# KiCad board dsp-amplifier-x4.kicad_pcb
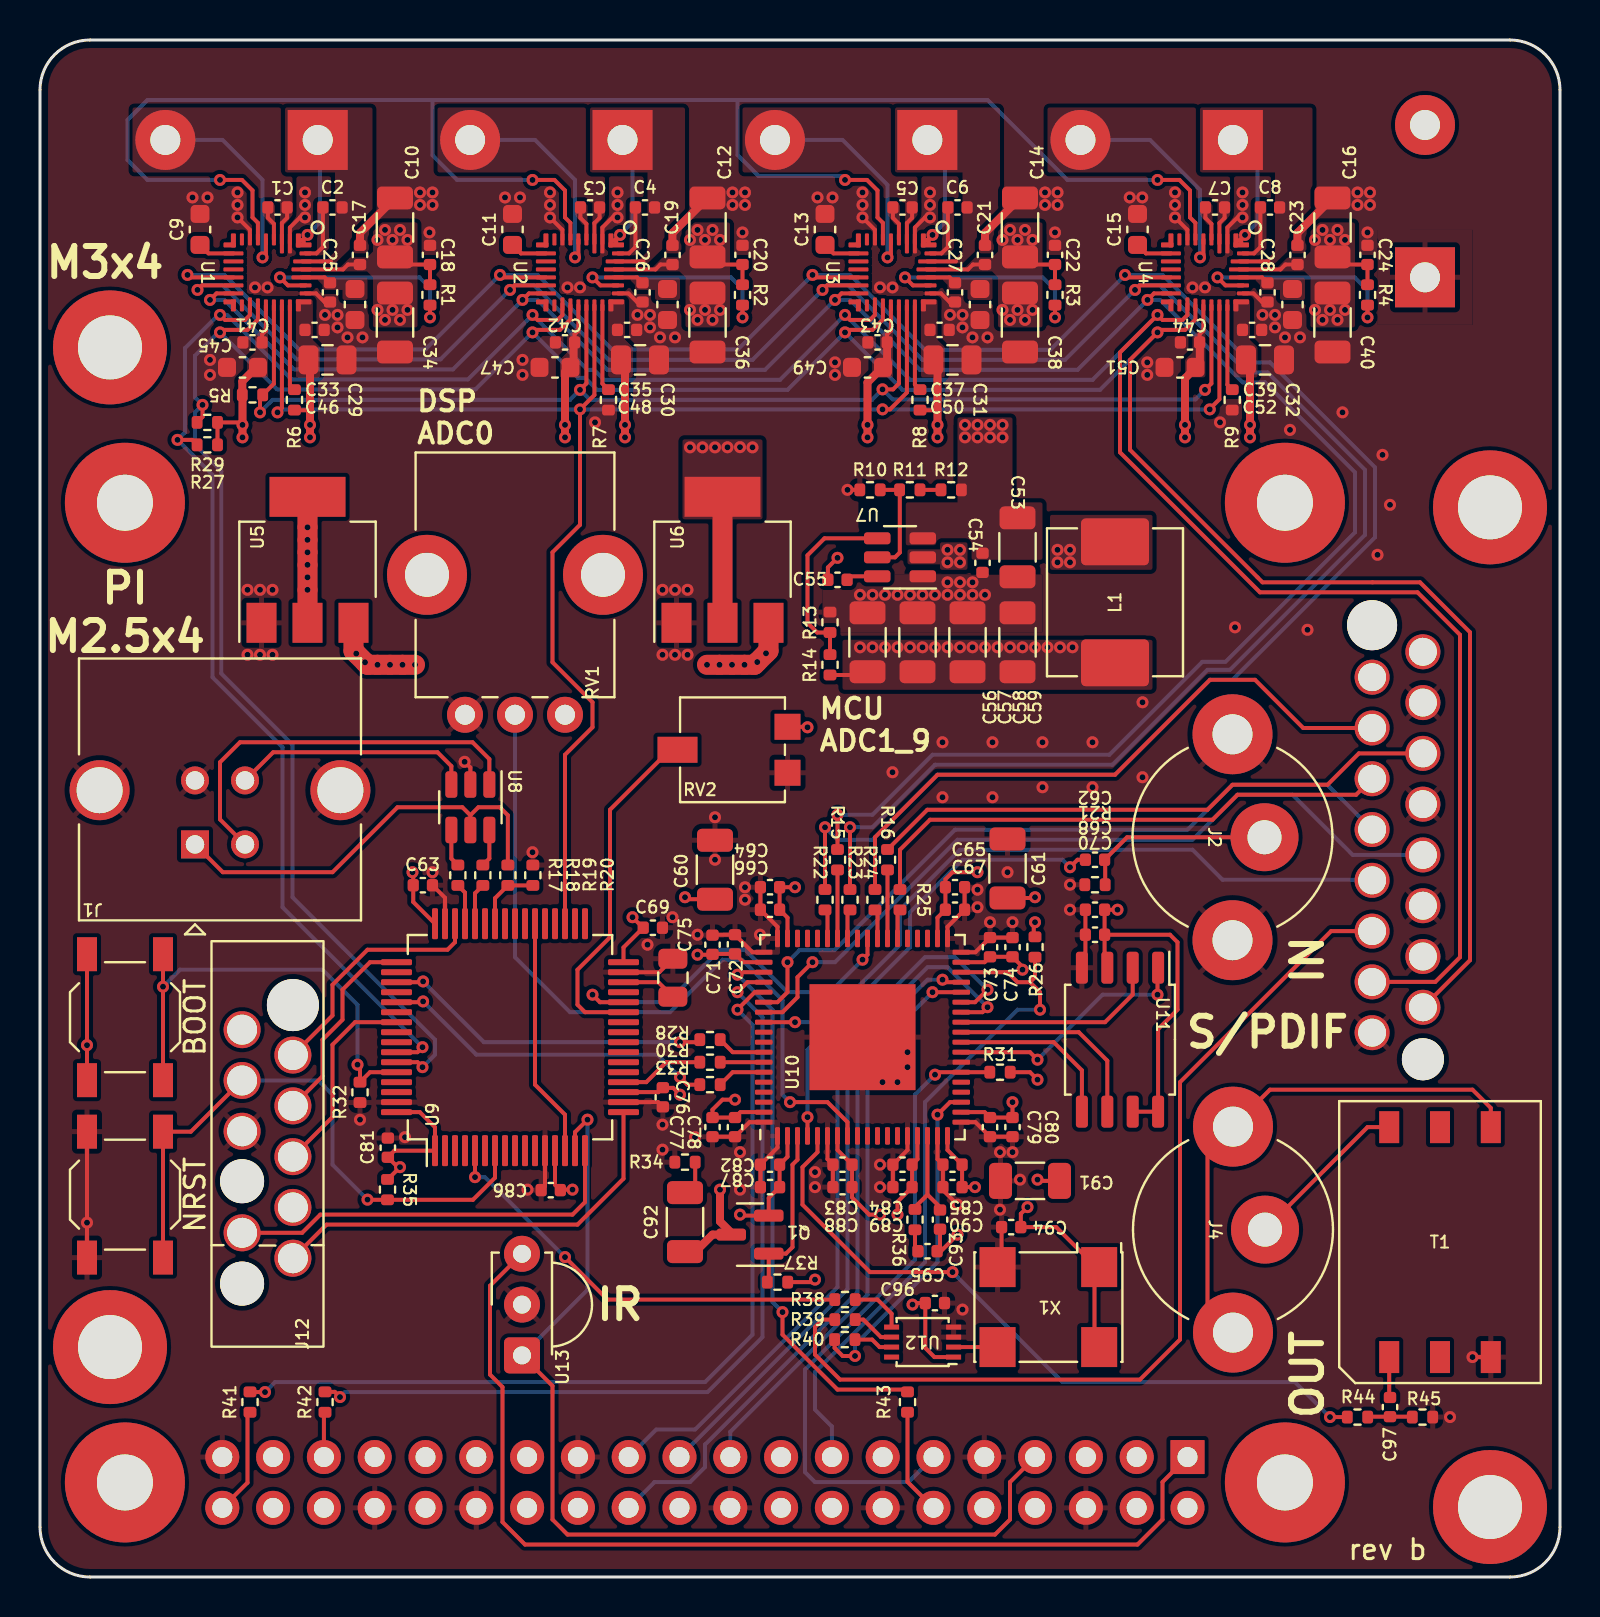
[diagram p0: board, top side]
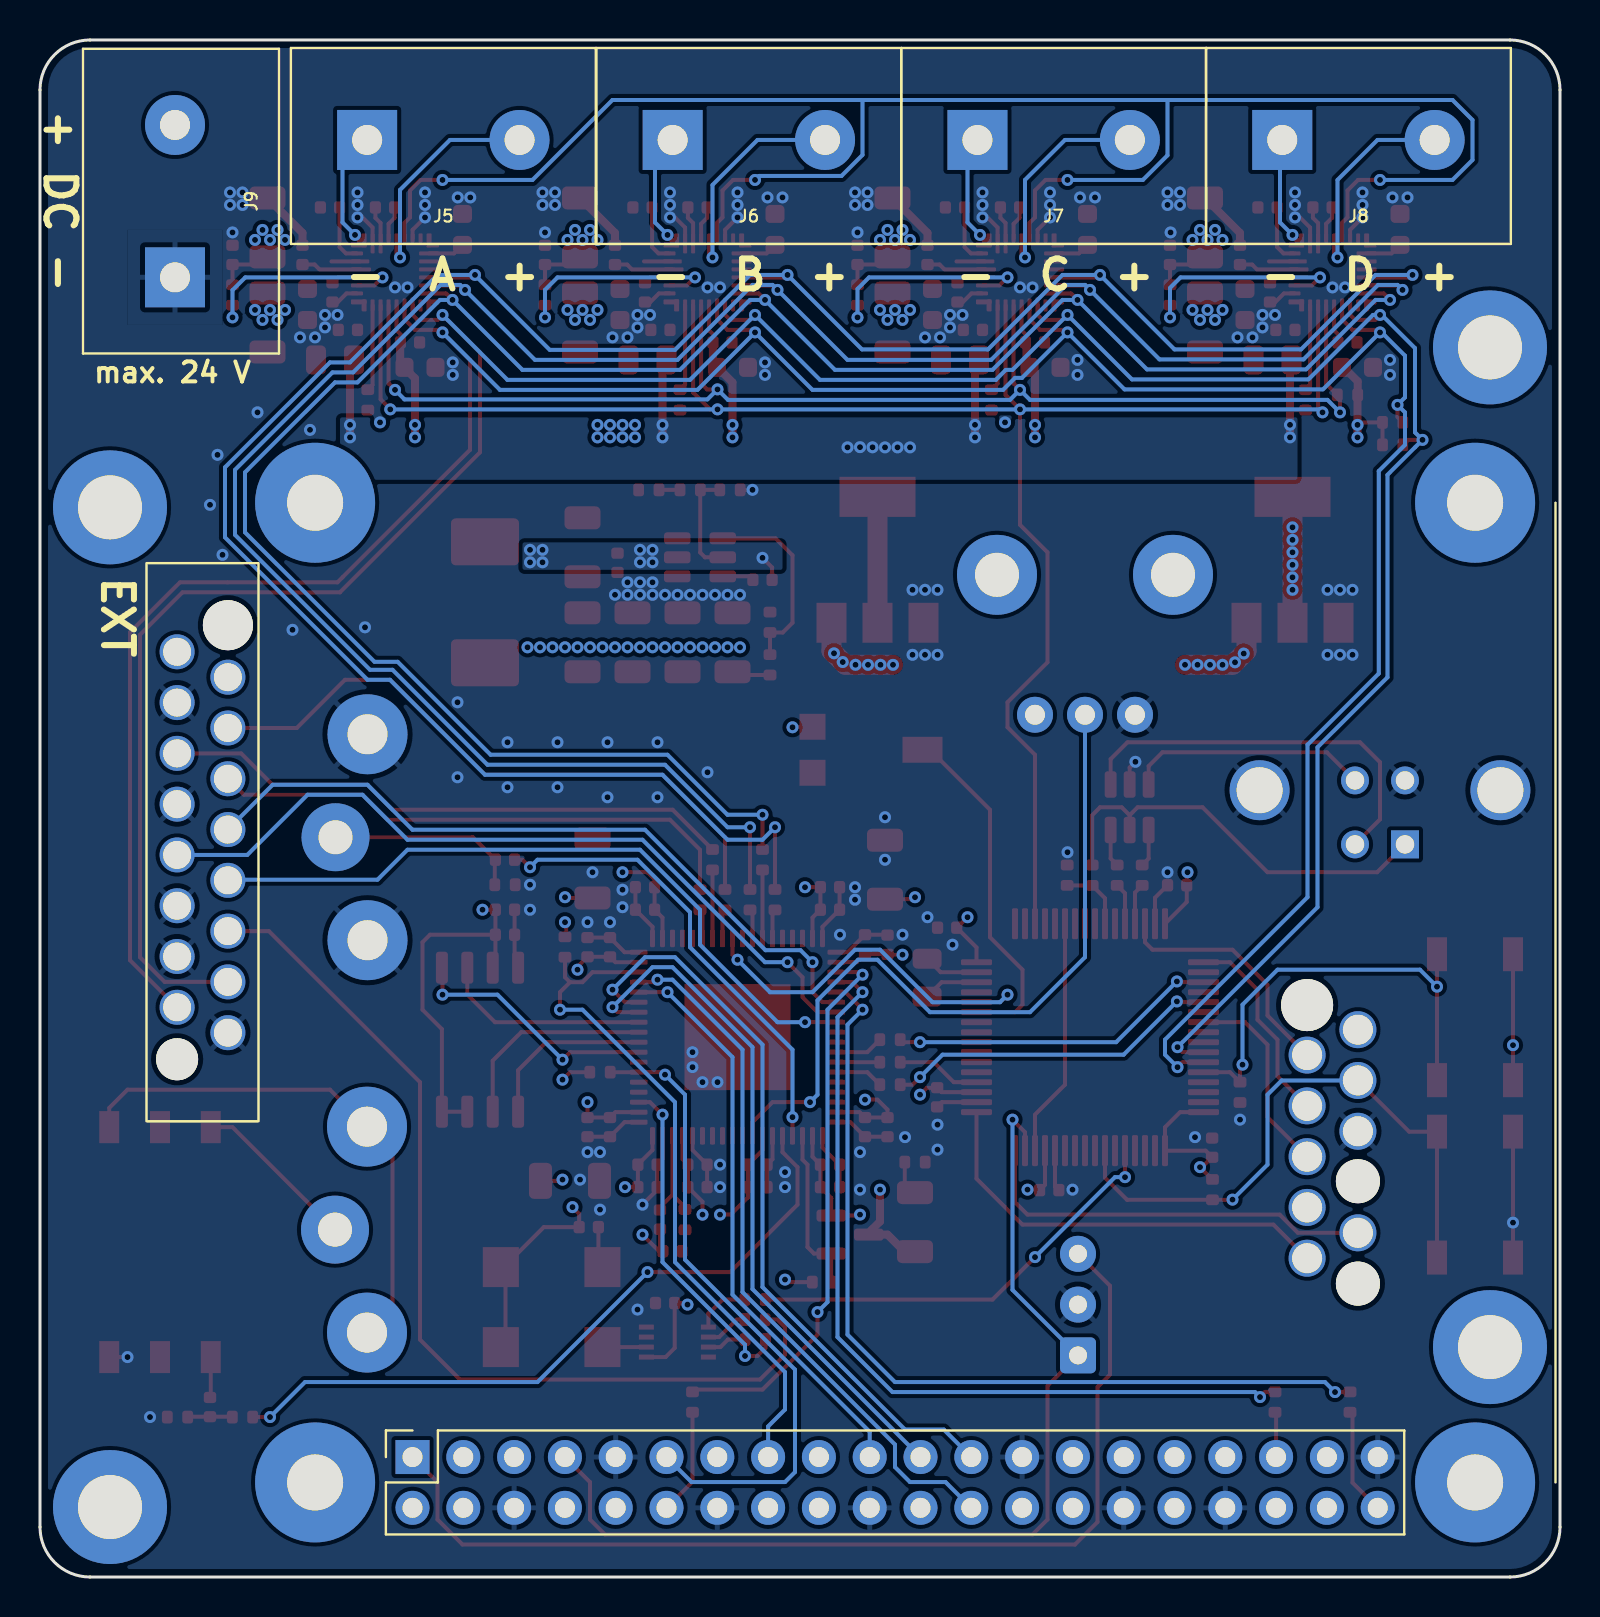
[diagram p1: board, bottom side, seen from below]

Outline 76 x 76.88 mm; copper layers: Top, In1.Cu (plane), In2.Cu (plane), Bottom. Coordinates in mm from the lower left corner of the outline.
Outline path: 0,74.38 0,2.5 arc(0.73,0.73) 2.5,0 73.5,0 arc(75.27,0.73) 76,2.5 76,74.38 arc(75.27,76.14) 73.5,76.88 2.5,76.88 arc(0.73,76.14) 0,74.38
Stack: Top 0.035mm / dielectric 0.48mm FR4 er 4.5 / In1.Cu 0.035mm / dielectric 0.48mm FR4 er 4.5 / In2.Cu 0.035mm / dielectric 0.48mm FR4 er 4.5 / Bottom 0.035mm

## Placement (name value [footprint] x y rotation side)
C1  100n  [C_0402_1005Metric]  11.88 68.5 180 top
C2  100n  [C_0402_1005Metric]  14.62 68.5 0 top
C3  100n  [C_0402_1005Metric]  27.5 68.5 180 top
C4  100n  [C_0402_1005Metric]  30.25 68.5 0 top
C5  100n  [C_0402_1005Metric]  43.12 68.5 180 top
C6  100n  [C_0402_1005Metric]  45.88 68.5 0 top
C7  100n  [C_0402_1005Metric]  58.75 68.5 180 top
C8  100n  [C_0402_1005Metric]  61.5 68.5 0 top
C9  1u  [C_0603_1608Metric]  8 67.4 90 top
C10  10u  [C_1206_3216Metric]  17.75 67.5 90 top
C11  1u  [C_0603_1608Metric]  23.62 67.4 90 top
C12  10u  [C_1206_3216Metric]  33.38 67.5 90 top
C13  1u  [C_0603_1608Metric]  39.25 67.4 90 top
C14  10u  [C_1206_3216Metric]  49 67.5 90 top
C15  1u  [C_0603_1608Metric]  54.88 67.4 90 top
C16  10u  [C_1206_3216Metric]  64.62 67.5 90 top
C17  100n  [C_0402_1005Metric]  16 66.12 90 top
C18  10p  [C_0402_1005Metric]  19.5 66.12 270 top
C19  100n  [C_0402_1005Metric]  31.62 66.12 90 top
C20  10p  [C_0402_1005Metric]  35.12 66.12 270 top
C21  100n  [C_0402_1005Metric]  47.25 66.12 90 top
C22  10p  [C_0402_1005Metric]  50.75 66.12 270 top
C23  100n  [C_0402_1005Metric]  62.88 66.12 90 top
C24  10p  [C_0402_1005Metric]  66.38 66.12 270 top
C25  100n  [C_0402_1005Metric]  14.5 64.25 270 top
C26  100n  [C_0402_1005Metric]  30.12 64.25 270 top
C27  100n  [C_0402_1005Metric]  45.75 64.25 270 top
C28  100n  [C_0402_1005Metric]  61.38 64.25 270 top
C29  1u  [C_0603_1608Metric]  15.75 63.64 270 top
C30  1u  [C_0603_1608Metric]  31.38 63.64 270 top
C31  1u  [C_0603_1608Metric]  47 63.64 270 top
C32  1u  [C_0603_1608Metric]  62.62 63.64 270 top
C33  100n  [C_0402_1005Metric]  13.73 62.38 0 top
C34  10u  [C_1206_3216Metric]  17.75 62.75 270 top
C35  100n  [C_0402_1005Metric]  29.36 62.38 0 top
C36  10u  [C_1206_3216Metric]  33.38 62.75 270 top
C37  100n  [C_0402_1005Metric]  44.98 62.38 0 top
C38  10u  [C_1206_3216Metric]  49 62.75 270 top
C39  100n  [C_0402_1005Metric]  60.61 62.38 0 top
C40  10u  [C_1206_3216Metric]  64.62 62.75 270 top
C41  100n  [C_0402_1005Metric]  10.62 61.75 180 top
C42  100n  [C_0402_1005Metric]  26.25 61.75 180 top
C43  100n  [C_0402_1005Metric]  41.88 61.75 180 top
C44  100n  [C_0402_1005Metric]  57.5 61.75 180 top
C45  1u  [C_0603_1608Metric]  10.12 60.5 180 top
C46  4.7u  [C_0805_2012Metric]  14.38 60.88 0 top
C47  1u  [C_0603_1608Metric]  25.75 60.5 180 top
C48  4.7u  [C_0805_2012Metric]  30 60.88 0 top
C49  1u  [C_0603_1608Metric]  41.38 60.5 180 top
C50  4.7u  [C_0805_2012Metric]  45.62 60.88 0 top
C51  1u  [C_0603_1608Metric]  57 60.5 180 top
C52  4.7u  [C_0805_2012Metric]  61.25 60.88 0 top
C53  10u  [C_1206_3216Metric]  48.88 51.5 270 top
C54  100n  [C_0402_1005Metric]  47.12 50.72 270 top
C55  100n  [C_0402_1005Metric]  39.88 49.88 0 top
C56  10u  [C_1206_3216Metric]  41.38 46.75 90 top
C57  10u  [C_1206_3216Metric]  43.88 46.75 90 top
C58  10u  [C_1206_3216Metric]  46.38 46.75 90 top
C59  10u  [C_1206_3216Metric]  48.88 46.75 90 top
C60  10u  [C_1206_3216Metric]  33.75 35.38 90 top
C61  10u  [C_1206_3216Metric]  48.38 35.44 90 top
C62  10n  [C_0402_1005Metric]  52.75 35.88 180 top
C63  100n  [C_0402_1005Metric]  19.14 34.6 0 top
C64  100n  [C_0402_1005Metric]  36.5 34.5 180 top
C65  100n  [C_0402_1005Metric]  45.75 34.5 0 top
C66  10n  [C_0402_1005Metric]  36.5 33.38 180 top
C67  10n  [C_0402_1005Metric]  45.75 33.38 0 top
C68  100n  [C_0402_1005Metric]  52.75 33.38 180 top
C69  100n  [C_0402_1005Metric]  30.64 32.47 0 top
C70  10n  [C_0402_1005Metric]  52.75 32.12 180 top
C71  100n  [C_0402_1005Metric]  33.62 31.62 90 top
C72  10n  [C_0402_1005Metric]  34.75 31.64 90 top
C73  10n  [C_0402_1005Metric]  47.5 31.5 90 top
C74  100n  [C_0402_1005Metric]  48.62 31.5 90 top
C75  4.7u  [C_0805_2012Metric]  31.64 29.97 90 top
C76  100n  [C_0402_1005Metric]  31.14 24 270 top
C77  100n  [C_0402_1005Metric]  33.62 22.5 270 top
C78  10n  [C_0402_1005Metric]  34.75 22.5 270 top
C79  10n  [C_0402_1005Metric]  47.5 22.5 270 top
C80  100n  [C_0402_1005Metric]  48.62 22.5 270 top
C81  100n  [C_0402_1005Metric]  17.39 21.47 90 top
C82  10n  [C_0402_1005Metric]  36.5 20.62 180 top
C83  10n  [C_0402_1005Metric]  40.12 20.62 180 top
C84  10n  [C_0402_1005Metric]  43.12 20.62 180 top
C85  10n  [C_0402_1005Metric]  45.62 20.62 180 top
C86  100n  [C_0402_1005Metric]  25.54 19.35 180 top
C87  100n  [C_0402_1005Metric]  36.5 19.5 180 top
C88  100n  [C_0402_1005Metric]  40.12 19.5 180 top
C89  100n  [C_0402_1005Metric]  43.12 19.5 180 top
C90  100n  [C_0402_1005Metric]  45.62 19.5 180 top
C91  10u  [C_1206_3216Metric]  49.5 19.81 180 top
C92  10u  [C_1206_3216Metric]  32.25 17.75 90 top
C93  150p  [C_0402_1005Metric]  45 17.88 90 top
C94  10n  [C_0402_1005Metric]  48.56 17.5 180 top
C95  4.7n  [C_0402_1005Metric]  44.38 16.3 180 top
C96  100n  [C_0402_1005Metric]  44.74 13.7 0 top
C97  10n  [C_0402_1005Metric]  67.5 8.5 90 top
H1  MountingHole  [MountingHole_3.2mm_M3_ISO7380_Pad]  3.5 61.5 0 top
H2  MountingHole  [MountingHole_3.2mm_M3_ISO7380_Pad]  72.5 53.5 0 top
H3  MountingHole  [MountingHole_3.2mm_M3_ISO7380_Pad]  3.5 11.5 0 top
H4  MountingHole  [MountingHole_3.2mm_M3_ISO7380_Pad]  72.5 3.5 0 top
J1  USB_B  [USB_B_TE_5787834_Vertical]  7.75 36.64 180 top
J2  Conn_Coaxial  [cui_rcj_02x]  59.62 37 270 top
J4  Conn_Coaxial  [cui_rcj_02x]  59.65 17.38 270 top
J5  Screw_Terminal_01x02  [wuerth_691216410002]  55.83 71.88 0 bottom
J6  Screw_Terminal_01x02  [wuerth_691216410002]  40.56 71.88 0 bottom
J7  Screw_Terminal_01x02  [wuerth_691216410002]  25.32 71.88 0 bottom
J8  Screw_Terminal_01x02  [wuerth_691216410002]  10.08 71.88 0 bottom
J9  Screw_Terminal_01x02  [wuerth_691216410002]  69.25 68.81 270 bottom
J10  Conn_01x16_Female  [WR-WST REDFIT IDC 16]  67.88 36.75 90 bottom
J11  Raspberry_Pi_2_3  [PinSocket_2x20_P2.54mm_Vertical]  33.24 4.73 90 bottom
J12  REDFIT_SWD_10  [WR-WST REDFIT IDC 6 10 DBG]  11.38 21.66 90 top
L1  4.7u  [L_Abracon_ASPI-0630LR]  53.75 48.75 90 top
oshw1  Logo_Open_Hardware_Large  [OSHW-Symbol_6.7x6mm_SilkScreen]  67.88 12.62 180 bottom
Q1  SS8550  [SOT-23]  35.5 17.12 180 top
R1  1k  [R_0402_1005Metric]  19.5 64.12 270 top
R2  1k  [R_0402_1005Metric]  35.12 64.12 270 top
R3  1k  [R_0402_1005Metric]  50.75 64.12 270 top
R4  1k  [R_0402_1005Metric]  66.38 64.12 270 top
R5  10k  [R_0402_1005Metric]  10.62 59.12 180 top
R6  10k  [R_0402_1005Metric]  12.72 58.88 90 top
R7  10k  [R_0402_1005Metric]  28.42 58.88 90 top
R8  470  [R_0402_1005Metric]  44 58.88 90 top
R9  470  [R_0402_1005Metric]  59.61 58.88 90 top
R10  4.7k  [R_0402_1005Metric]  41.5 54.38 0 top
R11  10k  [R_0402_1005Metric]  43.49 54.38 0 top
R12  10k  [R_0402_1005Metric]  45.56 54.38 0 top
R13  13.7k  [R_0402_1005Metric]  39.5 47.75 90 top
R14  100k  [R_0402_1005Metric]  39.5 45.62 90 top
R15  33  [R_0402_1005Metric]  39.88 35.88 270 top
R16  33  [R_0402_1005Metric]  42.38 35.88 270 top
R17  33  [R_0402_1005Metric]  20.89 35.1 270 top
R18  33  [R_0402_1005Metric]  22.14 35.1 270 top
R19  4.7k  [R_0402_1005Metric]  23.39 35.1 90 top
R20  10k  [R_0402_1005Metric]  24.64 35.1 90 top
R21  75  [R_0402_1005Metric]  52.75 34.62 180 top
R22  33  [R_0402_1005Metric]  39.25 33.88 270 top
R23  33  [R_0402_1005Metric]  40.5 33.88 270 top
R24  33  [R_0402_1005Metric]  41.75 33.88 270 top
R25  33  [R_0402_1005Metric]  43 33.88 270 top
R26  4.7k  [R_0402_1005Metric]  49.75 31.51 90 top
R27  4.7k  [R_0402_1005Metric]  8.37 56.62 0 top
R28  33  [R_0402_1005Metric]  33.5 26.88 180 top
R29  4.7k  [R_0402_1005Metric]  8.37 57.75 0 top
R30  33  [R_0402_1005Metric]  33.5 25.75 180 top
R31  4.7k  [R_0402_1005Metric]  48 25.25 0 top
R32  4.7k  [R_0402_1005Metric]  16 24.24 90 top
R33  33  [R_0402_1005Metric]  33.5 24.62 180 top
R34  1  [R_0402_1005Metric]  32.25 20.75 0 top
R35  4.7k  [R_0402_1005Metric]  17.38 19.38 270 top
R36  4.7k  [R_0402_1005Metric]  43.75 17.88 270 top
R37  4.7k  [R_0402_1005Metric]  36.88 14.75 180 top
R38  33  [R_0402_1005Metric]  40.25 13.88 0 top
R39  33  [R_0402_1005Metric]  40.25 12.88 0 top
R40  33  [R_0402_1005Metric]  40.24 11.88 0 top
R41  33  [R_0402_1005Metric]  10.5 8.75 90 top
R42  33  [R_0402_1005Metric]  14.25 8.75 90 top
R43  33  [R_0402_1005Metric]  43.38 8.75 90 top
R44  220  [R_0402_1005Metric]  65.88 8 0 top
R45  100  [R_0402_1005Metric]  69.12 8 0 top
RV1  R_Potentiometer  [Potentiometer_Bourns_PTV09A-1_Single_Vertical]  26.25 43.12 90 top
RV2  R_Potentiometer  [Potentiometer_Vishay_TS53YL_Vertical]  34.62 41.38 0 top
SW1  BOOT  [SW_SPST_TL3342]  4.25 28 270 top
SW2  NRST  [SW_SPST_TL3342]  4.25 19.12 90 top
T1  DA100J  [SOIC-6]  70 16.75 0 top
U1  TAS2780  [TI-30-Pin-HR-QFN]  11.38 65.25 270 top
U2  TAS2780  [TI-30-Pin-HR-QFN]  27 65.25 270 top
U3  TAS2780  [TI-30-Pin-HR-QFN]  42.62 65.25 270 top
U4  TAS2780  [TI-30-Pin-HR-QFN]  58.25 65.25 270 top
U5  AMS1117-3.3  [SOT-223-3_TabPin2]  13.38 50.88 90 top
U6  AMS1117-1.8  [SOT-223-3_TabPin2]  34.12 50.88 90 top
U7  TPS54302  [SOT-23-6]  43 51 180 top
U8  USBLC6-2SC6  [SOT-23-6]  21.52 38.5 270 top
U9  STM32F401RBTx  [LQFP-64_10x10mm_P0.5mm]  23.5 27 90 top
U10  ADAU1452  [LFCSP-72-1EP_10x10mm_P0.5mm_EP5.3x5.3mm]  41.12 27 90 top
U11  25LC512  [SOIC-8_5.275x5.275mm_P1.27mm]  54 26.88 270 top
U12  74AVC9112  [VSSOP-8_2.4x2.1mm_P0.5mm]  44.13 11.75 180 top
U13  TSOP583xx  [Vishay_MINICAST-3Pin]  24.1 11.08 90 top
X1  ASV-24.576MHz-EJ-T  [Oscillator_SMD_Abracon_ASV-4Pin_7.0x5.1mm]  50.42 13.5 180 top

## Library data of the parts
C1-C8 C17 C19 C21 C23 C25-C28 C33 C35 C37 C39 C41-C44 C54 C55 C63-C65 C68 C69 C71 C74 C76 C77 C80 C81 C86-C90 C96 = -: Description: Unpolarized capacitor; MPN: C307331
C9 C11 C13 C15 C29-C32 C45 C47 C49 C51 = -: Description: Unpolarized capacitor; MPN: C15849
C10 C12 C14 C16 C34 C36 C38 C40 C53 C56-C61 C91 C92 = -: Description: Unpolarized capacitor; MPN: C13585
C18 C20 C22 C24 = -: Description: Unpolarized capacitor; MPN: C32949
C46 C48 C50 C52 C75 = -: Description: Unpolarized capacitor; MPN: C1779
C62 C66 C67 C70 C72 C73 C78 C79 C82-C85 C94 C97 = -: Description: Unpolarized capacitor; MPN: C15195
C93 = -: Description: Unpolarized capacitor; MPN: C1527
C95 = -: Description: Unpolarized capacitor; MPN: C1538
H1-H4 = -: Description: Mounting Hole without connection
J1 = -: Description: USB Type B connector; Mfr.Nr.: M
J2 J4 = -: Description: coaxial connector (BNC, SMA, SMB, SMC, Cinch/RCA, LEMO, ...); Mfr.Nr.: DK
J5-J9 = -: Description: Generic screw terminal, single row, 01x02, script generated (kicad-library-utils/schlib/autogen/connector/); Mfr.Nr.: DK
J10 = -: Description: Generic connector, single row, 01x16, script generated (kicad-library-utils/schlib/autogen/connector/)
J11 = -: Description: expansion header for Raspberry Pi 2 & 3; Mfr.Nr.: DK; Field5: Connectors
L1 = -: Description: Inductor; Mfr.Nr.: DK
oshw1 = -: Description: Open Hardware logo, large
Q1 = -: Description: PNP transistor, base/emitter/collector; JLCPCB Rotation Offset: 180; MPN: C8542
R1-R4 = -: Description: Resistor; MPN: C11702
R5-R7 R11 R12 R20 = -: Description: Resistor; MPN: C25744
R8 R9 = -: Description: Resistor; MPN: C25117
R10 R19 R26 R27 R29 R31 R32 R35-R37 = -: Description: Resistor; MPN: C25900
R13 = -: Description: Resistor; Mfr.Nr.: DK
R14 = -: Description: Resistor; MPN: C25741
R15-R18 R22-R25 R28 R30 R33 R38-R43 = -: Description: Resistor; MPN: C25105
R21 = -: Description: Resistor; MPN: C25133
R34 = -: Description: Resistor; MPN: C25086
R44 = -: Description: Resistor; MPN: C25091
R45 = -: Description: Resistor; MPN: C25076
RV1 RV2 = -: Description: Potentiometer; Mfr.Nr.: M
SW1 SW2 = -: Description: Single Pole Single Throw (SPST) switch; MPN: C318884
T1 U1-U4 = -: Mfr.Nr.: M
U5 = -: Description: 1A Low Dropout regulator, positive, 3.3V fixed output, SOT-223; JLCPCB Rotation Offset: 180; MPN: C6186
U6 = -: Description: 1A Low Dropout regulator, positive, 1.8V fixed output, SOT-223; JLCPCB Rotation Offset: 180; Mfr.Nr.: DK
U7 = -: Description: 3A, 4.5 to 28V Input, EMI Friendly integrated switch synchronous step-down regulator, pulse-skipping, SOT-23-6; JLCPCB Rotation Offset: 180; Mfr.Nr.: M/DK
U8 = -: Description: Very low capacitance ESD protection diode, 2 data-line, SOT-23-6; JLCPCB Rotation Offset: 180; Mfr.Nr.: DK
U9 = -: Description: ARM Cortex-M4 MCU, 128KB flash, 64KB RAM, 84MHz, 1.7-3.6V, 50 GPIO, LQFP-64; JLCPCB Rotation Offset: -90; MPN: C74524
U10 = -: Description: SigmaDSP SigmaDSP Digital Audio Processor, 294.912 MHz, 40kword Data RAM, I2C/SPI, S/PDIF I/O, 16-Channel ASRC, LFCSP-72; Mfr.Nr.: M
U11 = -: Description: SPI Serial EEPROM, DIP-8/SOIC-8/TSSOP-8; Mfr.Nr.: M
U12 = -: Mfr.Nr.: DK
U13 = -: Description: Photo Modules for PCM Remote Control Systems; Mfr.Nr.: DK
X1 = -: Description: 3.3V HCMOS SMD Crystal Clock Oscillator, Abracon; Mfr.Nr.: DK

## Footprints (pads in the part's own frame, mm; a bottom-side part is the same pattern mirrored in y, then rotated)
C_0402_1005Metric
  rrect 0.56x0.62 smd: 1(-0.48,0) 2(0.48,0)
C_0603_1608Metric
  rrect 0.9x0.95 smd: 1(-0.775,0) 2(0.775,0)
C_0805_2012Metric
  rrect 1x1.45 smd: 1(-0.95,0) 2(0.95,0)
C_1206_3216Metric
  rrect 1.15x1.8 smd: 1(-1.475,0) 2(1.475,0)
cui_rcj_02x
  round 3.4 hole 1.7: 1(0,1.6)
  round 4 hole 2: 2(-5.15,0) 2(5.15,0)
L_Abracon_ASPI-0630LR
  rrect 2.35x3.4 smd: 1(-3.025,0) 2(3.025,0)
LFCSP-72-1EP_10x10mm_P0.5mm_EP5.3x5.3mm
  rrect 1.42x1.42 smd: (-1.77,1.77) (-1.77,0) (-1.77,-1.77) (0,1.77) (0,0) (0,-1.77) (1.77,1.77) (1.77,0) (1.77,-1.77)
  rrect 0.875x0.25 smd: 1(-4.938,4.25) 2(-4.938,3.75) 3(-4.938,3.25) 4(-4.938,2.75) 5(-4.938,2.25) 6(-4.938,1.75) 7(-4.938,1.25) 8(-4.938,0.75) 9(-4.938,0.25) 10(-4.938,-0.25) 11(-4.938,-0.75) 12(-4.938,-1.25) 13(-4.938,-1.75) 14(-4.938,-2.25) 15(-4.938,-2.75) 16(-4.938,-3.25) 17(-4.938,-3.75) 18(-4.938,-4.25) 37(4.938,-4.25) 38(4.938,-3.75) 39(4.938,-3.25) 40(4.938,-2.75) 41(4.938,-2.25) 42(4.938,-1.75) 43(4.938,-1.25) 44(4.938,-0.75) 45(4.938,-0.25) 46(4.938,0.25) 47(4.938,0.75) 48(4.938,1.25) 49(4.938,1.75) 50(4.938,2.25) 51(4.938,2.75) 52(4.938,3.25) 53(4.938,3.75) 54(4.938,4.25)
  rrect 0.25x0.875 smd: 19(-4.25,-4.938) 20(-3.75,-4.938) 21(-3.25,-4.938) 22(-2.75,-4.938) 23(-2.25,-4.938) 24(-1.75,-4.938) 25(-1.25,-4.938) 26(-0.75,-4.938) 27(-0.25,-4.938) 28(0.25,-4.938) 29(0.75,-4.938) 30(1.25,-4.938) 31(1.75,-4.938) 32(2.25,-4.938) 33(2.75,-4.938) 34(3.25,-4.938) 35(3.75,-4.938) 36(4.25,-4.938) 55(4.25,4.938) 56(3.75,4.938) 57(3.25,4.938) 58(2.75,4.938) 59(2.25,4.938) 60(1.75,4.938) 61(1.25,4.938) 62(0.75,4.938) 63(0.25,4.938) 64(-0.25,4.938) 65(-0.75,4.938) 66(-1.25,4.938) 67(-1.75,4.938) 68(-2.25,4.938) 69(-2.75,4.938) 70(-3.25,4.938) 71(-3.75,4.938) 72(-4.25,4.938)
  rect 5.3x5.3 smd: 73(0,0)
LQFP-64_10x10mm_P0.5mm
  rrect 1.55x0.3 smd: 1(-5.675,3.75) 2(-5.675,3.25) 3(-5.675,2.75) 4(-5.675,2.25) 5(-5.675,1.75) 6(-5.675,1.25) 7(-5.675,0.75) 8(-5.675,0.25) 9(-5.675,-0.25) 10(-5.675,-0.75) 11(-5.675,-1.25) 12(-5.675,-1.75) 13(-5.675,-2.25) 14(-5.675,-2.75) 15(-5.675,-3.25) 16(-5.675,-3.75) 33(5.675,-3.75) 34(5.675,-3.25) 35(5.675,-2.75) 36(5.675,-2.25) 37(5.675,-1.75) 38(5.675,-1.25) 39(5.675,-0.75) 40(5.675,-0.25) 41(5.675,0.25) 42(5.675,0.75) 43(5.675,1.25) 44(5.675,1.75) 45(5.675,2.25) 46(5.675,2.75) 47(5.675,3.25) 48(5.675,3.75)
  rrect 0.3x1.55 smd: 17(-3.75,-5.675) 18(-3.25,-5.675) 19(-2.75,-5.675) 20(-2.25,-5.675) 21(-1.75,-5.675) 22(-1.25,-5.675) 23(-0.75,-5.675) 24(-0.25,-5.675) 25(0.25,-5.675) 26(0.75,-5.675) 27(1.25,-5.675) 28(1.75,-5.675) 29(2.25,-5.675) 30(2.75,-5.675) 31(3.25,-5.675) 32(3.75,-5.675) 49(3.75,5.675) 50(3.25,5.675) 51(2.75,5.675) 52(2.25,5.675) 53(1.75,5.675) 54(1.25,5.675) 55(0.75,5.675) 56(0.25,5.675) 57(-0.25,5.675) 58(-0.75,5.675) 59(-1.25,5.675) 60(-1.75,5.675) 61(-2.25,5.675) 62(-2.75,5.675) 63(-3.25,5.675) 64(-3.75,5.675)
MountingHole_3.2mm_M3_ISO7380_Pad
  round 5.7 hole 3.2: 1(0,0)
Oscillator_SMD_Abracon_ASV-4Pin_7.0x5.1mm
  rect 1.8x2 smd: 1(-2.54,-2) 2(2.54,-2) 3(2.54,2) 4(-2.54,2)
PinSocket_2x20_P2.54mm_Vertical
  rect 1.7x1.7 hole 1: 1(1.27,24.13)
  oval 1.7x1.7 hole 1: 2(-1.27,24.13) 3(1.27,21.59) 4(-1.27,21.59) 5(1.27,19.05) 6(-1.27,19.05) 7(1.27,16.51) 8(-1.27,16.51) 9(1.27,13.97) 10(-1.27,13.97) 11(1.27,11.43) 12(-1.27,11.43) 13(1.27,8.89) 14(-1.27,8.89) 15(1.27,6.35) 16(-1.27,6.35) 17(1.27,3.81) 18(-1.27,3.81) 19(1.27,1.27) 20(-1.27,1.27) 21(1.27,-1.27) 22(-1.27,-1.27) 23(1.27,-3.81) 24(-1.27,-3.81) 25(1.27,-6.35) 26(-1.27,-6.35) 27(1.27,-8.89) 28(-1.27,-8.89) 29(1.27,-11.43) 30(-1.27,-11.43) 31(1.27,-13.97) 32(-1.27,-13.97) 33(1.27,-16.51) 34(-1.27,-16.51) 35(1.27,-19.05) 36(-1.27,-19.05) 37(1.27,-21.59) 38(-1.27,-21.59) 39(1.27,-24.13) 40(-1.27,-24.13)
  round 6 hole 2.8: 41(0,-29) 41(0,29) 41(49,-29) 41(49,29)
Potentiometer_Bourns_PTV09A-1_Single_Vertical
  round 4 hole 2.2 unplated: (7,6.9) (7,-1.9)
  round 1.8 hole 1: 1(0,0) 2(0,2.5) 3(0,5)
Potentiometer_Vishay_TS53YL_Vertical
  rect 1.3x1.3 smd: 1(2.75,1.15) 3(2.75,-1.15)
  rect 2x1.3 smd: 2(-2.75,0)
R_0402_1005Metric
  rrect 0.54x0.64 smd: 1(-0.51,0) 2(0.51,0)
SOIC-6
  rect 1x1.6 smd: 1(-2.54,-5.75) 2(0,-5.75) 3(2.54,-5.75) 4(2.54,5.75) 5(0,5.75) 6(-2.54,5.75)
SOIC-8_5.275x5.275mm_P1.27mm
  rrect 1.6x0.6 smd: 1(-3.6,1.905) 2(-3.6,0.635) 3(-3.6,-0.635) 4(-3.6,-1.905) 5(3.6,-1.905) 6(3.6,-0.635) 7(3.6,0.635) 8(3.6,1.905)
SOT-23
  rrect 1.475x0.6 smd: 1(-0.938,0.95) 2(-0.938,-0.95) 3(0.938,0)
SOT-23-6
  rrect 1.325x0.6 smd: 1(-1.137,0.95) 2(-1.137,0) 3(-1.137,-0.95) 4(1.137,-0.95) 5(1.137,0) 6(1.137,0.95)
SOT-223-3_TabPin2
  rect 2x1.5 smd: 1(-3.15,2.3) 2(-3.15,0) 3(-3.15,-2.3)
  rect 2x3.8 smd: 2(3.15,0)
SW_SPST_TL3342
  rect 1.7x1 smd: 1(-3.15,1.9) 1(3.15,1.9) 2(-3.15,-1.9) 2(3.15,-1.9)
TI-30-Pin-HR-QFN
  rrect 0.7x0.25 smd: 1(-1.6,1.545) 9(-1.6,-1.705)
  rrect 0.25x0.78 smd: 1(-1.375,1.81) 24(1.475,1.81)
  rrect 1x0.2 smd: 2(-1.45,1.12) 3(-1.45,0.72)
  rrect 0.6x0.2 smd: 4(-1.65,0.32) 5(-1.65,-0.08) 6(-1.65,-0.48) 7(-1.65,-0.88) 8(-1.65,-1.28) 17(1.65,-1.28) 20(1.65,-0.08) 21(1.65,0.32) 22(1.65,0.72) 23(1.65,1.12)
  rrect 0.25x0.62 smd: 9(-1.375,-1.89) 16(1.475,-1.89)
  rrect 0.2x1 smd: 10(-0.95,-1.705) 11(-0.55,-1.705) 12(-0.15,-1.705) 13(0.25,-1.705) 14(0.65,-1.705) 15(1.05,-1.705) 27(0.25,1.7) 28(-0.15,1.7)
  rrect 0.6x0.25 smd: 16(1.65,-1.705) 24(1.65,1.545)
  rrect 0.7x0.2 smd: 18(1.6,-0.88)
  rrect 0.65x0.2 smd: 19(1.625,-0.48)
  rrect 0.2x0.6 smd: 25(1.05,1.9) 26(0.65,1.9) 30(-0.95,1.9)
  rrect 0.2x0.925 smd: 29(-0.55,1.748)
USB_B_TE_5787834_Vertical
  rect 1.4x1.4 hole 0.92: 1(0,0)
  round 1.4 hole 0.92: 2(-2.5,0) 3(-2.5,-3.2) 4(0,-3.2)
  round 3 hole 2.3: 5(-7.27,-2.71) 5(4.77,-2.71)
Vishay_MINICAST-3Pin
  rrect 1.8x1.8 hole 0.9: 1(0,0)
  round 1.8 hole 0.9: 2(2.54,0) 3(5.08,0)
VSSOP-8_2.4x2.1mm_P0.5mm
  rect 0.75x0.25 smd: 1(-1.55,0.75) 2(-1.55,0.25) 3(-1.55,-0.25) 4(-1.55,-0.75) 5(1.55,-0.75) 6(1.55,-0.25) 7(1.55,0.25) 8(1.55,0.75)
WR-WST REDFIT IDC 6 10 DBG
  round 2.2 hole 2.2 unplated: (-6.985,1.27) (-1.865,1.27)
  round 2.6 hole 2.6 unplated: (6.945,-1.27)
  round 1.85 hole 1.5: 1(5.715,1.27) 2(4.445,-1.27) 3(3.175,1.27) 4(1.905,-1.27) 5(0.635,1.27) 6(-0.635,-1.27) 8(-3.175,-1.27) 9(-4.445,1.27) 10(-5.715,-1.27)
WR-WST REDFIT IDC 16
  round 2.1 hole 2.1 unplated: (-10.855,1.27)
  round 2.5 hole 2.5 unplated: (10.855,-1.27)
  round 1.75 hole 1.4: 1(9.525,1.27) 2(8.255,-1.27) 3(6.985,1.27) 4(5.715,-1.27) 5(4.445,1.27) 6(3.175,-1.27) 7(1.905,1.27) 8(0.635,-1.27) 9(-0.635,1.27) 10(-1.905,-1.27) 11(-3.175,1.27) 12(-4.445,-1.27) 13(-5.715,1.27) 14(-6.985,-1.27) 15(-8.255,1.27) 16(-9.525,-1.27)
wuerth_691216410002
  rect 3x3 hole 1.5: 1(3.81,0)
  round 3 hole 1.5: 2(-3.81,0)
